# Altium PCB GameBoard_V1I1_Phase1.PcbDoc (part 1 of 18) (continued)
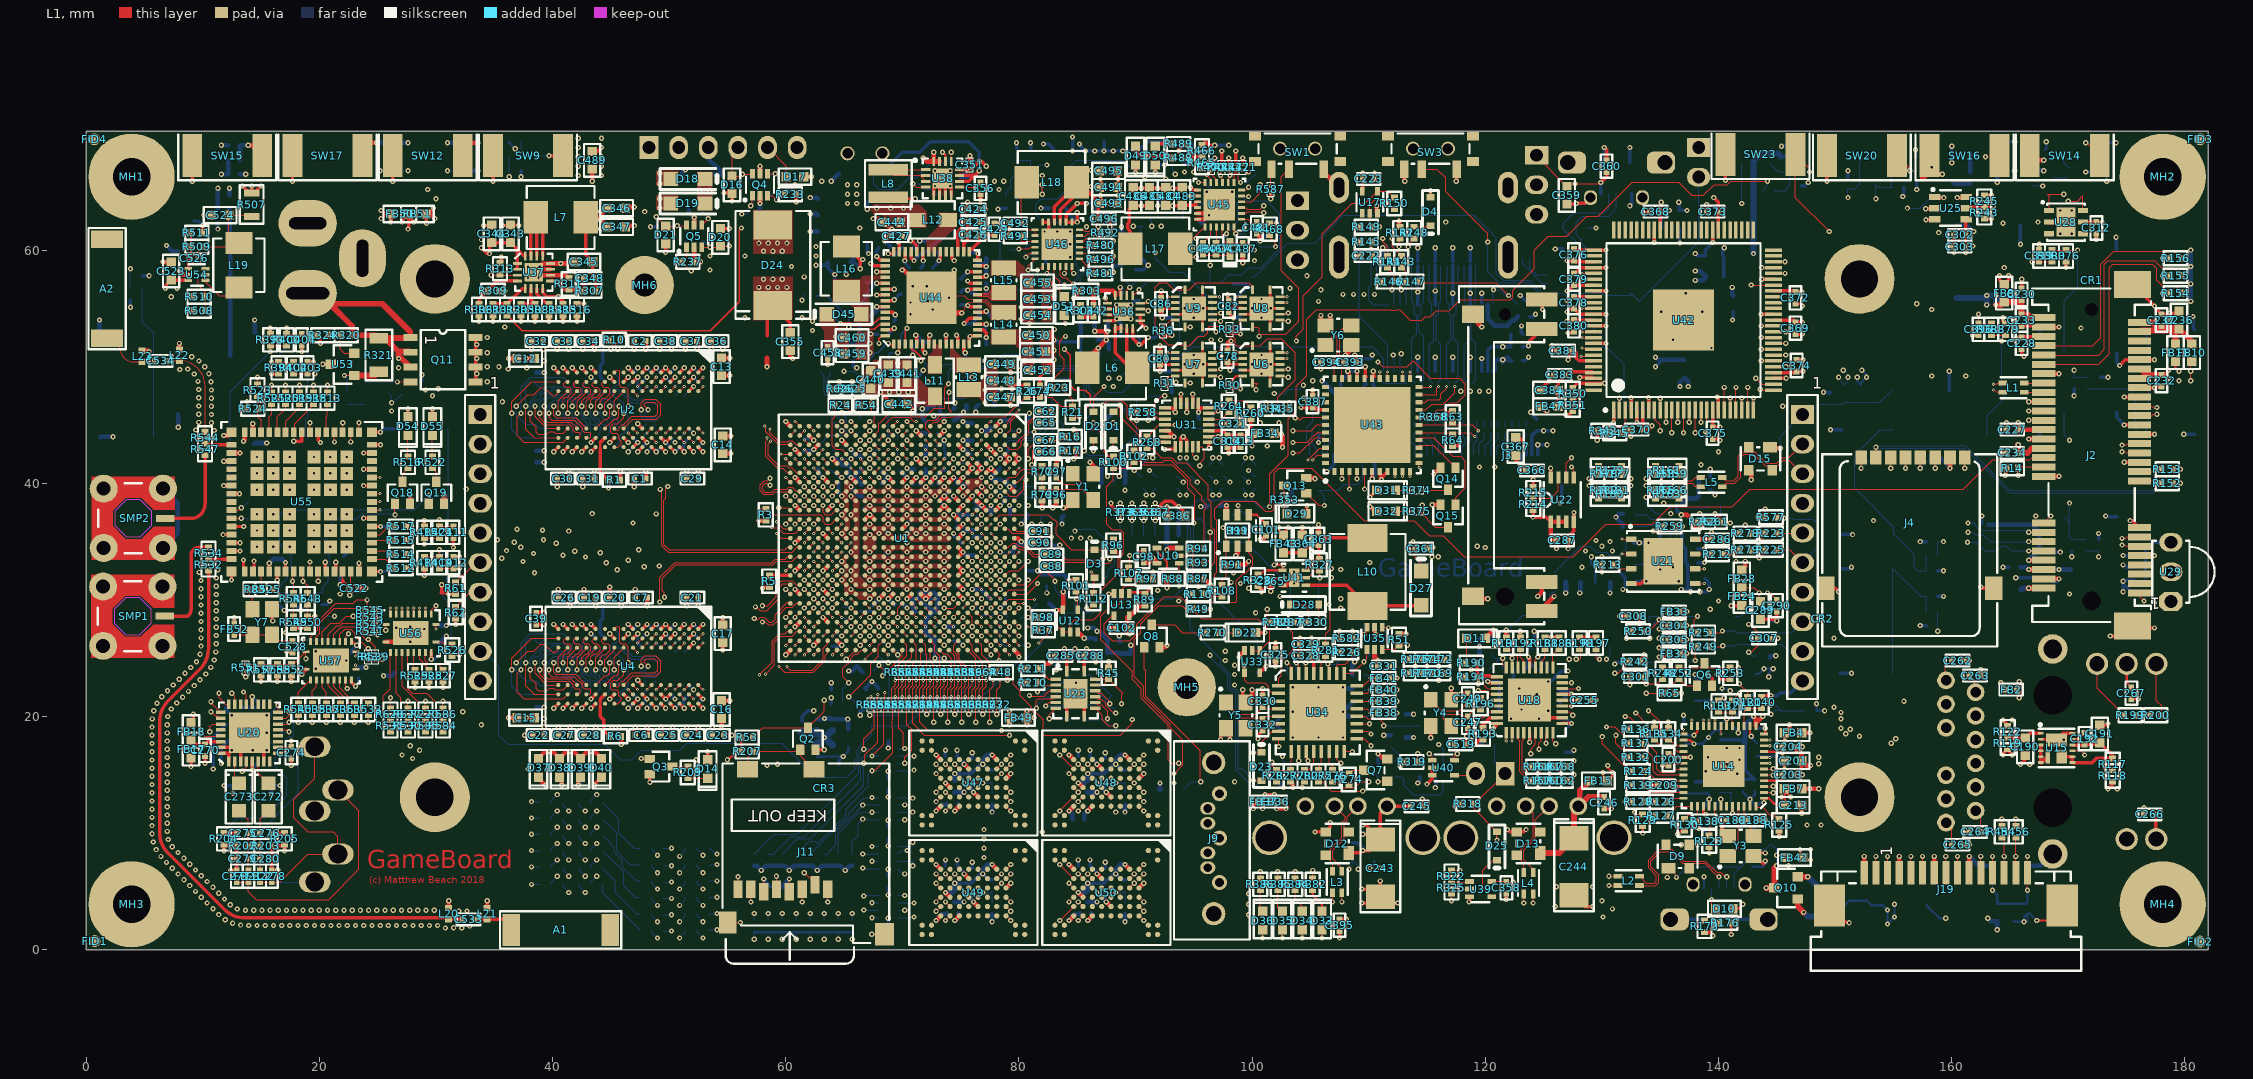
[diagram p0: L1 view]
## Design rules (kind name [scope] priority, off if disabled: settings) (continued)
ComponentClearance SD2_DATA3 [InComponent('R609') vs InComponent('R610')] p70: gap=0 collisioncheckmode=3 verticalgap=0 showdistances=FALSE
ComponentClearance SD2_CMD [InComponent('R611') vs InComponent('R612')] p71: gap=0 collisioncheckmode=3 verticalgap=0 showdistances=FALSE
ComponentClearance SD2_CLK [InComponent('R613') vs InComponent('R614')] p72: gap=0 collisioncheckmode=3 verticalgap=0 showdistances=FALSE
ComponentClearance SD2_WP [InComponent('R620') vs InComponent('R621')] p73: gap=0 collisioncheckmode=3 verticalgap=0 showdistances=FALSE
DiffPairsRouting [All] p1: maxlimit=0.1 minlimit=0.1 mostfreqgap=0.1 toplayer_minwidth=0.1 toplayer_maxwidth=0.1 toplayer_prefwidth=0.1 midlayer1_minwidth=0.1 midlayer1_maxwidth=0.1 midlayer1_prefwidth=0.1 midlayer2_minwidth=0.1 midlayer2_maxwidth=0.1 midlayer2_prefwidth=0.1 midlayer3_minwidth=0.1 midlayer3_maxwidth=0.1 midlayer3_prefwidth=0.1 midlayer4_minwidth=0.1 midlayer4_maxwidth=0.1 midlayer4_prefwidth=0.1 midlayer5_minwidth=0.1 midlayer5_maxwidth=0.1 midlayer5_prefwidth=0.1 midlayer6_minwidth=0.1 midlayer6_maxwidth=0.1 midlayer6_prefwidth=0.1 midlayer7_minwidth=0.1 midlayer7_maxwidth=0.1 midlayer7_prefwidth=0.1 midlayer8_minwidth=0.1 midlayer8_maxwidth=0.1 midlayer8_prefwidth=0.1 bottomlayer_minwidth=0.1 bottomlayer_maxwidth=0.1 bottomlayer_prefwidth=0.1 maxuncoupledlength=12.7
HoleSize [All] p1: absolutevalues=TRUE maxlimit=6 minlimit=0.025 maxpercent=80.000 minpercent=20.000
HoleToHoleClearance [All] p1: gap=0.1 allowstackedmicrovias=TRUE
MatchedLengths DiffPair_DIFF100MatchedLengths [InDifferentialPairClass('DIFF100')] p1: tolerance=0.127 checknetsindiffpair=TRUE checkdiffpairvsdiffpair=FALSE checkxsignals=FALSE checkothers=FALSE
MatchedLengths DiffPair_DIFF90MatchedLengths [InDifferentialPairClass('DIFF90')] p2: tolerance=0.127 checknetsindiffpair=TRUE checkdiffpairvsdiffpair=FALSE checkxsignals=FALSE checkothers=FALSE
MinimumSolderMaskSliver [All] p1: minsoldermaskwidth=0.1
PlaneClearance [All] p1: clearance=0.1
PlaneConnect [All] p1: planeconnectstyle=Direct reliefexpansion=0.508 reliefentries=4 reliefconductorwidth=0.254 reliefairgap=0.1
PolygonConnect [All] p1: connectstyle=Direct reliefconductorwidth=0.254 reliefentries=4 polygonreliefangle="90 Angle" airgapwidth=0.1
RoutingVias [All] p1: holewidth=0.2 width=0.45 viastyle="Through Hole" minholewidth=0.1 minwidth=0 maxholewidth=0.6 maxwidth=0.8
SilkToSilkClearance [All] p1: silktosilkclearance=0.1
SilkToSolderMaskClearance SilkscreenOverComponentPads [IsPad] p1: minsilkscreentomaskgap=0.1 clearancetoexposedcopper=TRUE
SolderMaskExpansion [All] p1: expansion=0.102
Width DiffPair_DIFF100Width [InDifferentialPair('ALL')] p1: maxlimit=0.1 minlimit=0.085 preferedwidth=0.1 toplayer_minwidth=0.09 toplayer_maxwidth=0.09 toplayer_prefwidth=0.09 midlayer1_minwidth=0.1 midlayer2_maxwidth=0.085 midlayer2_prefwidth=0.085 midlayer3_minwidth=0.1 midlayer4_minwidth=0.1 midlayer5_maxwidth=0.085 midlayer5_prefwidth=0.085 midlayer6_minwidth=0.1 midlayer7_minwidth=0.1 midlayer8_minwidth=0.1 bottomlayer_minwidth=0.09 bottomlayer_maxwidth=0.09 bottomlayer_prefwidth=0.09 minimp=50.000000 maximp=50.000000 favimp=50.000000
Width DiffPair_DIFF90Width [InNetClass('DRAM_SDCLK')] p2: maxlimit=0.101 minlimit=0.085 preferedwidth=0.1 toplayer_minwidth=0.101 toplayer_prefwidth=0.101 midlayer1_minwidth=0.1 midlayer1_maxwidth=0.1 midlayer2_maxwidth=0.085 midlayer2_prefwidth=0.085 midlayer3_minwidth=0.1 midlayer3_maxwidth=0.1 midlayer4_minwidth=0.1 midlayer4_maxwidth=0.1 midlayer5_maxwidth=0.085 midlayer5_prefwidth=0.085 midlayer6_minwidth=0.1 midlayer6_maxwidth=0.1 midlayer7_minwidth=0.101 midlayer7_prefwidth=0.101 midlayer8_minwidth=0.101 midlayer8_prefwidth=0.101 bottomlayer_minwidth=0.101 bottomlayer_prefwidth=0.101 minimp=50.000000 maximp=50.000000 favimp=50.000000
Width "Width Ground" [InNet('GND')] p3: maxlimit=4 minlimit=0.2 preferedwidth=0.3
Width "Width Power" [InNet('+VIN') OR InNet('+1V2_ETH') OR InNet('+1V5_DDR') OR InNet('+1V375') OR InNet('+2V5') OR InNet('+3V3')] p4: maxlimit=4 minlimit=0.2 preferedwidth=0.3
Width [All] p5: maxlimit=4 minlimit=0.08 preferedwidth=0.1
21 further rules are at their usual default settings.

## Classes and differential pairs
net class ANTENNA: ANT1 ANT1_FEED ANT1_LC ANT2 ANT2_FEED ANT2_LC
net class BOOT_SELECT1: BOOT_CFG_00 BOOT_CFG_01 BOOT_CFG_02 BOOT_CFG_03 BOOT_CFG_04 BOOT_CFG_05 BOOT_CFG_06 BOOT_CFG_07 BOOT_CFG_08 BOOT_CFG_09 BOOT_CFG_10 BOOT_CFG_11 BOOT_CFG_12 BOOT_CFG_13 BOOT_CFG_14 BOOT_CFG_15 SRC_BOOT_CFG_00 SRC_BOOT_CFG_01 SRC_BOOT_CFG_02 SRC_BOOT_CFG_03 SRC_BOOT_CFG_04 SRC_BOOT_CFG_05 SRC_BOOT_CFG_06 SRC_BOOT_CFG_07 SRC_BOOT_CFG_08 SRC_BOOT_CFG_09 SRC_BOOT_CFG_10 SRC_BOOT_CFG_11 SRC_BOOT_CFG_12 SRC_BOOT_CFG_13 SRC_BOOT_CFG_14 SRC_BOOT_CFG_15
net class BOOT_SELECT2: BOOT_CFG_16 BOOT_CFG_17 BOOT_CFG_18 BOOT_CFG_19 BOOT_CFG_20 BOOT_CFG_21 BOOT_CFG_22 BOOT_CFG_23 BOOT_CFG_24 BOOT_CFG_25 BOOT_CFG_26 BOOT_CFG_27 BOOT_CFG_28 BOOT_CFG_29 BOOT_CFG_30 BOOT_CFG_31 SRC_BOOT_CFG_16 SRC_BOOT_CFG_17 SRC_BOOT_CFG_18 SRC_BOOT_CFG_19 SRC_BOOT_CFG_20 SRC_BOOT_CFG_21 SRC_BOOT_CFG_22 SRC_BOOT_CFG_23 SRC_BOOT_CFG_24 SRC_BOOT_CFG_25 SRC_BOOT_CFG_26 SRC_BOOT_CFG_27 SRC_BOOT_CFG_28 SRC_BOOT_CFG_29 SRC_BOOT_CFG_30 UART3_RTS
net class SD2_BOOT: SD2_CLK_BOOT SD2_CMD_BOOT SD2_DATA0_BOOT SD2_DATA1_BOOT SD2_DATA2_BOOT SD2_DATA3_BOOT
net class SD1_WIFI: SD1_CLK_WIFI SD1_CMD_WIFI SD1_DATA0_WIFI SD1_DATA1_WIFI SD1_DATA2_WIFI SD1_DATA3_WIFI
net class SD2_WIFI: SD2_CLK_WIFI SD2_CMD_WIFI SD2_DATA0_WIFI SD2_DATA1_WIFI SD2_DATA2_WIFI SD2_DATA3_WIFI
net class SD1_BOOT: SD1_CLK_BOOT SD1_CMD_BOOT SD1_DATA0_BOOT SD1_DATA1_BOOT SD1_DATA2_BOOT SD1_DATA3_BOOT
net class BOOT: BOOT_CLK BOOT_CMD BOOT_DATA0 BOOT_DATA1 BOOT_DATA2 BOOT_DATA3
net class SD1: SD1_CLK SD1_CMD SD1_DATA0 SD1_DATA1 SD1_DATA2 SD1_DATA3
net class WIFI: SLOW_CLK WIFI_CLK WIFI_CMD WIFI_DATA0 WIFI_DATA1 WIFI_DATA2 WIFI_DATA3 WIFI_IRQ WL_EN WL_IRQ WL_SDIO_CLK WL_SDIO_CMD WL_SDIO_D0 WL_SDIO_D1 WL_SDIO_D2 WL_SDIO_D3 XTALOSC_REF_CLK_32K
net class BLE: BT_AUD_CLK BT_AUD_FSYNC BT_AUD_IN BT_AUD_OUT BT_CSPI_RXD BT_CSPI_TXC BT_CSPI_TXD BT_CSPI_TXFS BT_EN BT_HCI_CTS BT_HCI_RTS BT_HCI_RX BT_HCI_TX BT_UART_CTS BT_UART_RTS BT_UART_RXD BT_UART_TXD
net class "[26] - BLE/WIFI": +1V8_WIFI +3V3 +3V3_HDR +3V3_WIFI +VIN_4V2 ANT1 ANT1_FEED ANT1_LC ANT2 ANT2_FEED ANT2_LC BT_AUD_CLK BT_AUD_FSYNC BT_AUD_IN BT_AUD_OUT BT_CSPI_RXD BT_CSPI_TXC BT_CSPI_TXD BT_CSPI_TXFS BT_EN BT_EN_D BT_EN_LED BT_EN_R BT_HCI_CTS BT_HCI_RTS BT_HCI_RX BT_HCI_TX BT_UART_CTS BT_UART_DBG BT_UART_RTS BT_UART_RXD BT_UART_TXD CPU_BT_EN CPU_WIFI_LS_EN CPU_WL_EN CSPI2_RXD CSPI2_TXC CSPI2_TXD CSPI2_TXFS EN_1V8WIFI FB_1V8WIFI GND NetA?_1 NetA?_2 NetC528_2 NetR512_2 NetR513_1 NetR514_2 NetR515_2 NetR517_2 NetR518_1 NetR519_1 NetR520_1 NetR521_1 NetR523_1 NetR533_2 NetR534_1 NetR535_2 NetR536_2 NetR537_2 NetR538_2 NetR540_2 NetR547_1 NetR551_2 NetU?_4 NetU?_5 NetU?_6 NetU?_7 NetU?_8 NetU?_9 NetU?_11 NetU?_14 NetU?_15 NetU?_21 NetU?_22 NetU?_62 PWR_1V8WIFI SD1_CLK_WIFI SD1_CMD_WIFI SD1_DATA0_WIFI SD1_DATA1_WIFI SD1_DATA2_WIFI SD1_DATA3_WIFI SD2_BT_EN SD2_CLK_WIFI SD2_CMD_WIFI SD2_DATA0_WIFI SD2_DATA1_WIFI SD2_DATA2_WIFI SD2_DATA3_WIFI SLOW_CLK SW_1V8WIFI UART3_CTS UART3_RTS UART3_RXD UART3_TXD UART5_CTS UART5_RTS UART5_RXD UART5_TXD WIFI_CLK WIFI_CMD WIFI_DATA0 WIFI_DATA1 WIFI_DATA2 WIFI_DATA3 WIFI_EXT_32K_CLK WIFI_IRQ WL_EN WL_EN_D WL_EN_LED WL_IRQ WL_RX WL_SDIO_CLK WL_SDIO_CMD WL_SDIO_D0 WL_SDIO_D1 WL_SDIO_D2 WL_SDIO_D3 WL_TX WL_UART_DBG XTAL_32K_CLK XTALOSC_REF_CLK_32K
component class "[26] - BLE, WIFI": A1 A2 A? C522 C523 C524 C525 C526 C527 C528 C529 C530 C531 C532 C533 C534 C? D54 D55 D? FB50 FB51 FB52 FB? L19 L20 L21 L22 L23 Q18 Q19 Q? R43 R83 R220 R507 R508 R509 R510 R511 R512 R513 R514 R515 R516 R517 R518 R519 R520 R521 R522 R523 R524 R525 R526 R527 R528 R529 R530 R531 R532 R533 R534 R535 R536 R537 R538 R539 R540 R541 R542 R543 R544 R545 R546 R547 R548 R549 R550 R551 R552 R553 R554 R555 R556 R557 R558 R562 R563 R564 R565 R566 R567 R568 R569 R570 R571 R572 R573 R584 R585 R586 R623 R624 R627 R628 R? SMP1 SMP2 TP57 TP58 TP59 TP60 U54 U55 U56 U57 U? Y7 Y?
net class HDMI_PORT: HDMI_CLK_N HDMI_CLK_P HDMI_D0_N HDMI_D0_P HDMI_D1_N HDMI_D1_P HDMI_D2_N HDMI_D2_P
net class HDMI_LCD: LCD_HDMI_CLK_N LCD_HDMI_CLK_P LCD_HDMI_D0_N LCD_HDMI_D0_P LCD_HDMI_D1_N LCD_HDMI_D1_P LCD_HDMI_D2_N LCD_HDMI_D2_P
net class "[07] - CPU - CSI/FLASH": +3V3 +3V3_FLASH CSI_CLK0_N CSI_CLK0_P CSI_D0_N CSI_D0_P CSI_D1_N CSI_D1_P CSI_REXT FLASH_ALE FLASH_CLE FLASH_CS0 FLASH_CS1 FLASH_CS2 FLASH_CS3 FLASH_DATA0 FLASH_DATA1 FLASH_DATA2 FLASH_DATA3 FLASH_DATA4 FLASH_DATA5 FLASH_DATA6 FLASH_DATA7 FLASH_PT0 FLASH_PT1 FLASH_PT2 FLASH_PT3 FLASH_RB0 FLASH_RE_B FLASH_WE_B FLASH_WP_B GND NetU1_E1 NetU1_E2 NetU1_F1 NetU1_F2 NetU1_F24 NetU1_F25 NetU1_G24 NetU1_G25 NetU1_H22 NetU1_H23 NetU1_H25 NetU1_J21 NetU1_J22 NetU1_J25 NetU1_K21 NetU1_K22 NetU1_K23 NetU1_K24 NetU1_K25 NetU1_L20 NetU1_L21 NetU1_L22 NetU1_L23 NetU1_L24 NetU1_L25 NetU1_M20 NetU1_M21 NetU1_M22 NetU1_M23 NetU1_M24 NetU1_N22 NetU1_N23 NetU47_A1 NetU47_A2 NetU47_A9 NetU47_A10 NetU47_B1 NetU47_B9 NetU47_B10 NetU47_D6 NetU47_D7 NetU47_D8 NetU47_E3 NetU47_E4 NetU47_E5 NetU47_E6 NetU47_E7 NetU47_E8 NetU47_F3 NetU47_F4 NetU47_F5 NetU47_F6 NetU47_F8 NetU47_G3 NetU47_G6 NetU47_G7 NetU47_G8 NetU47_H3 NetU47_H5 NetU47_H6 NetU47_H7 NetU47_J3 NetU47_J5 NetU47_L1 NetU47_L2 NetU47_L9 NetU47_L10 NetU47_M1 NetU47_M2 NetU47_M9 NetU47_M10 NetU48_A1 NetU48_A2 NetU48_A9 NetU48_A10 NetU48_B1 NetU48_B9 NetU48_B10 NetU48_D6 NetU48_D7 NetU48_D8 NetU48_E3 NetU48_E4 NetU48_E5 NetU48_E6 NetU48_E7 NetU48_E8 NetU48_F3 NetU48_F4 NetU48_F5 NetU48_F6 NetU48_F8 NetU48_G3 NetU48_G6 NetU48_G7 NetU48_G8 NetU48_H3 NetU48_H5 NetU48_H6 NetU48_H7 NetU48_J3 NetU48_J5 NetU48_L1 NetU48_L2 NetU48_L9 NetU48_L10 NetU48_M1 NetU48_M2 NetU48_M9 NetU48_M10 NetU49_A1 NetU49_A2 NetU49_A9 NetU49_A10 NetU49_B1 NetU49_B9 NetU49_B10 NetU49_D6 NetU49_D7 NetU49_D8 NetU49_E3 NetU49_E4 NetU49_E5 NetU49_E6 NetU49_E7 NetU49_E8 NetU49_F3 NetU49_F4 NetU49_F5 NetU49_F6 NetU49_F8 NetU49_G3 NetU49_G6 NetU49_G7 NetU49_G8 NetU49_H3 NetU49_H5 NetU49_H6 NetU49_H7 NetU49_J3 NetU49_J5 NetU49_L1 NetU49_L2 NetU49_L9 NetU49_L10 NetU49_M1 NetU49_M2 NetU49_M9 NetU49_M10 NetU50_A1 NetU50_A2 NetU50_A9 NetU50_A10 NetU50_B1 NetU50_B9 NetU50_B10 NetU50_D6 NetU50_D7 NetU50_D8 NetU50_E3 NetU50_E4 NetU50_E5 NetU50_E6 NetU50_E7 NetU50_E8 NetU50_F3 NetU50_F4 NetU50_F5 NetU50_F6 NetU50_F8 NetU50_G3 NetU50_G6 NetU50_G7 NetU50_G8 NetU50_H3 NetU50_H5 NetU50_H6 NetU50_H7 NetU50_J3 NetU50_J5 NetU50_L1 NetU50_L2 NetU50_L9 NetU50_L10 NetU50_M1 NetU50_M2 NetU50_M9 NetU50_M10
component class "[06] - CPU - ETHERNET, SATA": C87 C88 C89 C90 C91 C92 C93 R37 R38 R39 R40 R41
net class "[30] - BATTERY CHARGER": +BAT +PULLUP +SYS +VBUS BAT1 BAT2 CHARGE_C\E\ CHARGE_C\E\2 CHARGE_INT CHARGE_INT2 DSEL GND I2C2_SCL I2C2_SDA ILIM1 ILIM2 NetC480_1 NetC492_1 NetD49_2 NetD50_2 NetD51_2 NetJP3_2 NetR467_1 NetR482_1 NetR482_2 NetR487_1 NetR491_1 NetR493_1 NetR524_1 OTG/IUSB1 OTG/IUSB2 PMID1 PMID2 PowerGood2 PSEL2 REGN1 REGN2 Status1 Status2 SW1 SW2 SYS2 TS USBCh_OTG_N USBCh_OTG_P VBUS2
net class "[29] - PWR PMIC": +0V75_DDR_VTT +1V2_PMIC +1V5_DDR +1V8_AUDIO +1V375_CORE +1V375_SOC +2V5 +3V0_ALWAYS +3V0_VSNVS +3V3 +3V3_LDO +5V +DDR_VREF +DDR_VREF_PMIC +PMIC_LICELL +PMIC_VCORE +PMIC_VCOREREF +PWRON_1V375_OPT +VCOREDIG +VIN_4V2 GND I2C1_SCL I2C1_SCL_PMIC I2C1_SDA I2C1_SDA_PMIC NetU47_33 PMIC_INT PMIC_SDWNB PMIC_STBY_REQ PMIC_VDDOTP PMIC_VHALF POK_PMIC PWRON SW1CFB SW1CLX SW1LX SW2LX SW3LX SW4LX SWBSTLX
net class "[28] - PWR IN/MECH": 5V_IN_CTRL +5V_BARREL +5V_JMP +5V_USB_OTG +5V_USB_OTG_Q +SYS +USB_CHARGE +VBUS +VIN_4V2 +VIN_5V GND NetJ17_4 NetQ12_1 NetR320_1 NetR321_1 OTG_ENABLE OTG_ENABLE_HZ PWR_SEL PWR_SEL_B RSTOUTn SYS_ENABLE SYS_PG SYS_SS SYS_SW USB0_ID USB0_ID_BUFF USB0_ID_BUFF_EN USB0_ID_BUFF_EN_R USB_OTG_EN USBCh_OTG_L_N USBCh_OTG_L_P USBCh_OTG_N USBCh_OTG_P
net class "[27] - PWR 1V375 OPT/3V3 OPT": +1V375_CORE +1V375_SOC +3V0_ALWAYS +3V3_HDR +PWRON_1V375_OPT +VIN_4V2 COMP_1V375 COMP_3V3_HDR EN_1V375 EN_3V3_HDR FB_1V375 FB_3V3_HDR FS_1V375 FS_3V3_HDR GND NetC342_1 NetC349_1 PHASE_1V375 PHASE_3V3_HDR POK_1V375_OPT POK_3V3_OPT POK_PMIC SS_1V375 SS_3V3_HDR SYNC_1V375 SYNC_3V3_HDR
net class "[26] - LEDS/BUTTONS": +3V0_VSNVS +3V3 +3V3_MCU BUMP_L1 BUMP_L2 BUMP_R1 BUMP_R2 BUT_L1 BUT_L2 BUT_LD BUT_LL BUT_LR BUT_LU BUT_R1 BUT_R2 BUT_RD BUT_RL BUT_RR BUT_RU BUT_SEL_L1 BUT_SEL_L2 BUT_SEL_R1 BUT_SEL_R2 GND MCU_BTN MOV_LD MOV_LL MOV_LR MOV_LU MOV_RD MOV_RL MOV_RR MOV_RU NetC413_1 POK_SYS PWR_LED_GRN_D PWR_LED_GRN_Q PWRON RST_BTN_HDR RSTINn SEL_L1 SEL_L2 SEL_R1 SEL_R2 USER_BTN_1 USER_BTN_1_R USER_BTN_2 USER_BTN_2_R USER_BTN_3 USER_BTN_3_R USER_LED USER_LED_1 USER_LED_2 USER_LED_3 USER_LED_4 USER_LED_5 USER_LED_6 USER_LED_7 USER_LED_8 USER_LED_CPU_D USER_LED_CPU_Q USER_LED_D_1 USER_LED_D_2 USER_LED_D_3 USER_LED_D_4 USER_LED_D_5 USER_LED_D_6 USER_LED_D_7 USER_LED_D_8
net class "[25] - LCD/TSC": 3V3_AVDD 3V3_DVDD 3V3_OVDD 3V3_PVDD +3V3 +VIN_5V ACTIVE BL_CTRL BL_PWM BUMP_L1 BUMP_L2 BUMP_R1 BUMP_R2 CTP_INT# CTP_RST# CTP_SCL CTP_SDA DRVSTR F_VIN GND I2C3_SCL I2C3_SDA LCD_B0 LCD_B1 LCD_B2 LCD_B3 LCD_B4 LCD_B5 LCD_B6 LCD_B7 LCD_CTP_INT# LCD_CTP_RST# LCD_CTP_SCL LCD_CTP_SDA LCD_DE LCD_G0 LCD_G1 LCD_G2 LCD_G3 LCD_G4 LCD_G5 LCD_G6 LCD_G7 LCD_HDMI_CLK_N LCD_HDMI_CLK_P LCD_HDMI_D0_N LCD_HDMI_D0_P LCD_HDMI_D1_N LCD_HDMI_D1_P LCD_HDMI_D2_N LCD_HDMI_D2_P LCD_HSYNC LCD_PCLK LCD_R0 LCD_R1 LCD_R2 LCD_R3 LCD_R4 LCD_R5 LCD_R6 LCD_R7 LCD_SHUTOFF# LCD_VSYNC LCD_XTALIN LCD_XTALOUT LED_A LED_K LED_SW MOV_LD MOV_LL MOV_LR MOV_LU MOV_RD MOV_RL MOV_RR MOV_RU NetC365_1 NetD29_1 NetD31_1 NetD32_1 NetLCD1_35 NetQ13_3 NetQ14_1 NetQ14_3 NetQ15_1 NetQ15_3 NetU45_40 NetU45_41 NetU45_42 NetU45_49 NetU45_50 NetU45_51 NetU45_52 NetU45_53 NetU45_54 NetU45_55 NetU45_56 NetU45_59 NetU45_60 NetU45_61 NetU45_62 NetU45_63 NetU45_64 NetU45_65 NetU45_66 NetU45_69 NetU45_70 NetU45_71 NetU45_72 NetU45_73 NetU45_74 NetU45_75 NetU45_77 NetU45_96 NetU46_1 NetU46_13 NetU46_25 NetU46_34 NetU46_35 NetU46_36 NetU46_44 OCK_INV P\D\ P\D\O\ QB0 QB1 QB2 QB3 QB4 QB5 QB6 QB7 QDE QE0 QE1 QE2 QE3 QE4 QE5 QE6 QE7 QHSYNC QODCK QR0 QR1 QR2 QR3 QR4 QR5 QR6 QR7 QVSYNC SEL_L1 SEL_L2 SEL_R1 SEL_R2 TS_X+ TS_X- TS_Y+ TS_Y- USB_LCDCTP_N USB_LCDCTP_P VPP/MCLR
net class "[24] - HEADERS/UART": +3V3 +3V3_HDR +3V3_HDR_J1 +5V +5V_FTDI +5V_HDR_J1 +VIN_5V BOOT_CFG_00 BOOT_CFG_01 BOOT_CFG_02 BOOT_CFG_03 BOOT_CFG_04 BOOT_CFG_05 BOOT_CFG_06 BOOT_CFG_07 BOOT_CFG_08 BOOT_CFG_09 BOOT_CFG_10 BOOT_CFG_11 BOOT_CFG_12 BOOT_CFG_13 BOOT_CFG_14 BOOT_CFG_15 BOOT_CFG_16 BOOT_CFG_17 BOOT_CFG_18 BOOT_CFG_19 BOOT_CFG_20 BOOT_CFG_21 BOOT_CFG_22 BOOT_CFG_23 BOOT_CFG_24 BOOT_CFG_25 BOOT_CFG_26 BOOT_CFG_27 BOOT_CFG_28 BOOT_CFG_29 BOOT_CFG_30 BOOT_CFG_31 CAN_N CAN_P CSPI1_CLK CSPI1_CS0 CSPI1_CS1 CSPI1_MISO CSPI1_MOSI GND I2C1_SCL I2C1_SCL_CON I2C1_SCL_MCU I2C1_SDA I2C1_SDA_CON I2C1_SDA_MCU I2C2_SCL I2C2_SDA I2C3_SCL I2C3_SDA RST_BTN_HDR RSTOUTn SRC_BOOT_CFG_00 SRC_BOOT_CFG_01 SRC_BOOT_CFG_02 SRC_BOOT_CFG_03 SRC_BOOT_CFG_04 SRC_BOOT_CFG_05 SRC_BOOT_CFG_06 SRC_BOOT_CFG_07 SRC_BOOT_CFG_08 SRC_BOOT_CFG_09 SRC_BOOT_CFG_10 SRC_BOOT_CFG_11 SRC_BOOT_CFG_12 SRC_BOOT_CFG_13 SRC_BOOT_CFG_14 SRC_BOOT_CFG_15 SRC_BOOT_CFG_16 SRC_BOOT_CFG_17 SRC_BOOT_CFG_18 SRC_BOOT_CFG_19 SRC_BOOT_CFG_20 SRC_BOOT_CFG_21 SRC_BOOT_CFG_22 SRC_BOOT_CFG_23 SRC_BOOT_CFG_24 SRC_BOOT_CFG_25 SRC_BOOT_CFG_26 SRC_BOOT_CFG_27 SRC_BOOT_CFG_28 SRC_BOOT_CFG_29 SRC_BOOT_CFG_30 UART1_CTS UART1_CTS_FTDI UART1_RTS UART1_RTS_FTDI UART1_RXD UART1_RXD_FTDI UART1_TXD UART1_TXD_FTDI UART3_RTS USB_HDR_L_N USB_HDR_L_P USB_HDR_N USB_HDR_P
net class "[23] - SENSORS/CAN/IR": +3V3 +3V3_COMP +3V3_COMP_IO +3V3_GYRO +3V3_GYRO_IO +3V3_IR +5V +GYRO_VREGD +VCC_CAN CAN_N CAN_P COMP_BYP COMP_C1 COMP_CRST COMP_INT COMP_INT1 COMP_INT2 COMP_RST COMP_SA1 FLEXCAN1_RX FLEXCAN1_RX_BUFF FLEXCAN1_STBY FLEXCAN1_STBY_Q FLEXCAN1_TX FLEXCAN1_TX_BUFF GND GYRO_CS_B GYRO_INT GYRO_INT1 GYRO_PWR_CTRL GYRO_RST I2C1_SCL I2C1_SDA I2C2_SCL I2C2_SDA IR_RCV NetC322_2 NetU28_3 NetU28_4 NetU32_1 RSTOUTn SPLIT SPLIT_R TEMP_ADD0 TEMP_ALERT
net class "[22] - SD CARE/SPI/FLASH/EEPROM": +3V3 BOOT_CLK BOOT_CMD BOOT_DATA0 BOOT_DATA1 BOOT_DATA2 BOOT_DATA3 CSPI3_1DIR CSPI3_2DIR CSPI3_CLK CSPI3_CS0 CSPI3_CS2 CSPI3_MCU_CLK CSPI3_MCU_CS0 CSPI3_MCU_ENn CSPI3_MCU_MISO CSPI3_MCU_MOSI CSPI3_MISO CSPI3_MOSI EEPROM_WP GND I2C1_SCL I2C1_SDA NetD14_1 NetQ3_3 NetR212_2 NetR213_1 SD1_CLK_BOOT SD1_CMD_BOOT SD1_DATA0_BOOT SD1_DATA1_BOOT SD1_DATA2_BOOT SD1_DATA3_BOOT SD2_ACT SD2_CD SD2_CDn SD2_CLK_BOOT SD2_CMD_BOOT SD2_DATA0_BOOT SD2_DATA1_BOOT SD2_DATA2_BOOT SD2_DATA3_BOOT SD2_WP_BOOT
net class "[21] - AUDIO": +1V5_DDR +1V8_AUDIO +3V3 +VDDA +VDDD +VDDIO AUD3_CLK AUD3_RXD AUD3_TXC AUD3_TXD AUD3_TXFS AUD_HP_L AUD_HP_R AUD_HP_VGND AUD_VAG FIL_HP_OUTL FIL_HP_OUTR FIL_MIC_IN GND HP_OUT_L HP_OUT_R I2C2_SCL I2C2_SDA MIC_BIAS MIC_IN MIC_IN_C MIC_LINEIN_L MIC_LINEIN_R NetC275_2 NetC276_2 NetJ10_5 NetJ10_7 NetU20_8 NetU20_9 NetU20_11 NetU20_12 NetU20_17 NetU20_18 NetU20_19 NetU20_22 NetU20_28
net class "[20] - ETHERNET/SATA": +3V3 ENET_LED_LINK ENET_LED_RX ENET_LED_RX_G ENET_LED_RX_O GND SATA_RX_N SATA_RX_P SATA_TX_N SATA_TX_P TCT0 TCT1 TCT2 TCT3 TRD0_N TRD0_P TRD1_N TRD1_P TRD2_N TRD2_P TRD3_N TRD3_P
net class "[19] - USB": +3V3 +3V3_USB_HUB +5V +5V_USB_BOT +5V_USB_OTG +5V_USB_TOP +VIN_5V GND HUB_CFG_SEL0 HUB_CFG_SEL1 HUB_CRFILT HUB_LED HUB_NON_REM1 HUB_PLLFILT HUB_RBIAS HUB_RESETn HUB_VBUS_DET HUB_XTALIN HUB_XTALOUT "LOCAL_PWR / NON_REM0" NetU18_18 NetU18_20 RSTOUTn USB0_ID USB0_N USB0_OTG_L_N USB0_OTG_L_P USB0_OTG_N USB0_OTG_P USB0_P USB1_HUB_N USB1_HUB_P USB1_N USB1_P USB_BOT_L_N USB_BOT_L_P USB_BOT_N USB_BOT_P USB_HDR_N USB_HDR_P USB_LCDCTP_N USB_LCDCTP_P USB_MCU_N USB_MCU_P USB_MPCIE_N USB_MPCIE_OC USB_MPCIE_P USB_TOP_L_N USB_TOP_L_P USB_TOP_N USB_TOP_P USBDN1_N USBDN1_OC USBDN1_P USBDN1_PWR_EN USBDN2_N USBDN2_OC USBDN2_P USBDN2_PWR_EN USBDN3_N USBDN3_OC USBDN3_P USBDN4_N USBDN4_P
net class "[18] - PCIE MINI": +1V5_DDR +1V5_MPCIE +3V3 +3V3_MPCIE +5V +5V_MPCIE +MPCIE_SIM_PWR +MPCIE_SIM_VPP +VIN_5V GND I2C2_SCL I2C2_SDA LED_MPCIE_WLAN LED_MPCIE_WPAN LED_MPCIE_WWAN MPCIE_SIM_C4 MPCIE_SIM_C4_R MPCIE_SIM_C8 MPCIE_SIM_C8_R MPCIE_SIM_CLK MPCIE_SIM_DATA MPCIE_SIM_RST NetD5_1 NetD6_1 NetD7_1 NetJ2_3 NetJ2_5 NetJ2_7 NetJ2_45 NetJ2_47 PCIE_CLK_N PCIE_CLK_P PCIE_RSTn PCIE_RX_N PCIE_RX_P PCIE_TX_N PCIE_TX_P PCIE_WAKE PCIE_WDISn USB_MPCIE_L_N USB_MPCIE_L_P USB_MPCIE_N USB_MPCIE_P
net class "[17] - LVDS/CSI": +3V3 +VDD_CSI CSI_CLK0_N CSI_CLK0_P CSI_CLK0_R_N CSI_CLK0_R_P CSI_D0_N CSI_D0_P CSI_D0_R_N CSI_D0_R_P CSI_D1_N CSI_D1_P CSI_D1_R_N CSI_D1_R_P CSI_GPIO0 CSI_GPIO1 GND I2C2_CSI_SCL I2C2_CSI_SDA I2C2_SCL I2C2_SDA LVDS0_CLK_N LVDS0_CLK_P LVDS0_CLK_R_N LVDS0_CLK_R_P LVDS0_TX0_N LVDS0_TX0_P LVDS0_TX1_N LVDS0_TX1_P LVDS0_TX2_N LVDS0_TX2_P LVDS0_TX3_N LVDS0_TX3_P
net class "[16] - HDMI": +3V3 +3V3_HDMI +5V +5V_HDMI_CON GND HDMI_CEC_CON HDMI_CEC_IN HDMI_CLK_N HDMI_CLK_P HDMI_D0_N HDMI_D0_P HDMI_D1_N HDMI_D1_P HDMI_D2_N HDMI_D2_P HDMI_ESD_BYP HDMI_HPD HDMI_HPD_BUFF HDMI_HPD_CON HDMI_SCL_CON HDMI_SCL_CON_R HDMI_SDA_CON HDMI_SDA_CON_R I2C2_SCL I2C2_SDA NetD4_1 NetJ1_14 NetU17_1
net class "[15] - ETHERNET PHY": +1V2_ETH +1V2_ETH_AVDDL +1V2_ETH_AVDDL_PLL +1V2_ETH_DVDDL +1V2_PMIC +1V2_REG +1V375_CORE +2V5 +2V5_ETH_DVDDH +3V3 +3V3_ETH_AVDDH +VIN_4V2 +VIN_ETH CFF ENET_LED_LINK ENET_LED_RX ENET_REF_CLK ENET_REF_CLK_R ETH_ISET ETH_OSCI_25MHz ETH_OSCO_25MHz GND LED1 LED2 NetU14_43 POK_SYS RGMII_INT RGMII_MDC RGMII_MDIO RGMII_R_MDC RGMII_R_MDIO RGMII_R_RXCLK RGMII_RSTn RGMII_RXCLK RGMII_RXD0 RGMII_RXD1 RGMII_RXD2 RGMII_RXD3 RGMII_RXDV RGMII_TXCLK RGMII_TXD0 RGMII_TXD1 RGMII_TXD2 RGMII_TXD3 RGMII_TXEN SW_EP TRD0_N TRD0_P TRD1_N TRD1_P TRD2_N TRD2_P TRD3_N TRD3_P
net class "[14] - MCU": +3V3 +3V3_LDO +3V3_MCU +BAT +SYS +VIN_4V2 +VIN_5V ANALOG_IN_0_SW ANALOG_IN_1 ANALOG_IN_2 ANALOG_IN_3 BTN_OR_USER_LED_4 CPU_GPIO0 CPU_GPIO1 CPU_GPIO2 CSPI3_MCU_CLK CSPI3_MCU_CS0 CSPI3_MCU_MISO CSPI3_MCU_MOSI GND I2C1_SCL_MCU I2C1_SDA_MCU MCU_BTN MCU_GPIO0 MCU_GPIO1 MCU_GPIO2 MCU_ISPn MCU_RSTINn MCU_RSTINn_BUFF MCU_RSTOUTn MCU_SWDIO MCU_SWDIO_SEL MCU_XTALIN MCU_XTALOUT NetQ7_3 NetQ8_3 NetR289_2 PMIC_STBY_REQ RSTOUTn STBY_OR_USER_LED_3 TS_X+ TS_X+_B TS_X- TS_X-_B TS_Y+ TS_Y+_B TS_Y- TS_Y-_B UART2_RXD UART2_TXD USB_CONNECT_OR_USER_LED_2 USB_CONNECTn USB_MCU_N USB_MCU_P USB_MCU_R_N USB_MCU_R_P USER_LED_1 USER_LED_2 USER_LED_3 USER_LED_4 USER_LED_MCU USER_LED_MCU_D
net class "[13] - CPU - UNUSED": NetU1_A9 NetU1_A10 NetU1_A11 NetU1_B9 NetU1_B10 NetU1_B11 NetU1_C20 NetU1_D20 NetU1_E25 NetU1_F18 NetU1_G1 NetU1_G2 NetU1_G4 NetU1_H1 NetU1_H2 NetU1_H3 NetU1_H4 NetU1_H24 NetU1_J19 NetU1_J20 NetU1_J23 NetU1_J24 NetU1_K20 NetU1_L1 NetU1_L3 NetU1_L4 NetU1_L6 NetU1_M2 NetU1_M4 NetU1_M5 NetU1_M6 NetU1_N5 NetU1_N6 NetU1_P4 NetU1_P5 NetU1_P6 NetU1_R3 NetU1_R5 NetU1_U20 NetU1_W6 NetU1_W20 NetU1_W21
net class "[12] - CPU - POWER": +1V1_NVCC_PLL_OUT +1V1_VDDSOC_CAP +1V2_VDD_ARM_CAP +1V5_DDR +1V375_CORE +1V375_SOC +2V5 +2V5_VDDHIGH_VPH +3V0_ALWAYS +3V3 +NVCC_CSI +NVCC_ENET +NVCC_MIPI +NVCC_RGMII +VDD_SNVS_CAP +VDDPU GND NetU1_C8
net class "[10] - CPU - GPIO/PWM/LEDS/BUTTONS": +3V3 BL_PWM CHARGE_C\E\ CHARGE_INT COMP_INT CPU_GPIO0 CPU_GPIO1 CPU_GPIO2 CSI_GPIO0 CSI_GPIO1 GYRO_INT IR_RCV MCU_ISPn MCU_RSTINn MCU_SWDIO MCU_SWDIO_SEL TEMP_ALERT USER_BTN_1 USER_BTN_2 USER_BTN_3 USER_LED USER_LED_1 USER_LED_2 USER_LED_3 USER_LED_4 USER_LED_5 USER_LED_6 USER_LED_7 USER_LED_8 VPP/MCLR
net class "[09] - CPU - SD/AUDIO/I2C/CAN": +3V3 AUD3_CLK AUD3_CLK_R AUD3_RXD AUD3_TXC AUD3_TXC_R AUD3_TXD AUD3_TXFS CPU_BT_EN CPU_WIFI_LS_EN CPU_WL_EN FLEXCAN1_RX FLEXCAN1_STBY FLEXCAN1_TX I2C1_SCL I2C1_SDA I2C2_SCL I2C2_SDA I2C3_SCL I2C3_SDA SD1_CLK SD1_CLK_BOOT SD1_CLK_WIFI SD1_CMD SD1_CMD_BOOT SD1_CMD_WIFI SD1_DATA0 SD1_DATA0_BOOT SD1_DATA0_WIFI SD1_DATA1 SD1_DATA1_BOOT SD1_DATA1_WIFI SD1_DATA2 SD1_DATA2_BOOT SD1_DATA2_WIFI SD1_DATA3 SD1_DATA3_BOOT SD1_DATA3_WIFI SD2_ACT SD2_BT_EN SD2_CD SD2_CLK SD2_CLK_BOOT SD2_CLK_R SD2_CLK_WIFI SD2_CMD SD2_CMD_BOOT SD2_CMD_R SD2_CMD_WIFI SD2_DATA0 SD2_DATA0_BOOT SD2_DATA0_WIFI SD2_DATA1 SD2_DATA1_BOOT SD2_DATA1_WIFI SD2_DATA2 SD2_DATA2_BOOT SD2_DATA2_WIFI SD2_DATA3 SD2_DATA3_BOOT SD2_DATA3_WIFI SD2_WP SD2_WP_BOOT WIFI_IRQ XTALOSC_REF_CLK_32K
net class "[08] - CPU - SPI/UART": +3V3 CSPI1_CLK CSPI1_CLK_R CSPI1_CS0 CSPI1_CS1 CSPI1_MISO CSPI1_MOSI CSPI2_RXD CSPI2_TXC CSPI2_TXD CSPI2_TXFS CSPI3_CLK CSPI3_CLK_R CSPI3_CS0 CSPI3_CS2 CSPI3_MCU_ENn CSPI3_MISO CSPI3_MOSI NetU1_B20 NetU1_C19 NetU1_P20 UART1_CTS UART1_RTS UART1_RXD UART1_TXD UART2_RXD UART2_TXD UART3_CTS UART3_RTS UART3_RXD UART3_TXD UART5_RXD UART5_TXD
net class FLASH: FLASH_ALE FLASH_CLE FLASH_CS0 FLASH_CS1 FLASH_CS2 FLASH_CS3 FLASH_DATA0 FLASH_DATA1 FLASH_DATA2 FLASH_DATA3 FLASH_DATA4 FLASH_DATA5 FLASH_DATA6 FLASH_DATA7 FLASH_RB0 FLASH_RE_B FLASH_WE_B FLASH_WP_B NetU1_E1 NetU1_E2 NetU1_F1 NetU1_F2 NetU1_F24 NetU1_F25 NetU1_G24 NetU1_G25 NetU1_H22 NetU1_H23 NetU1_H25 NetU1_J21 NetU1_J22 NetU1_J25 NetU1_K21 NetU1_K22 NetU1_K23 NetU1_K24 NetU1_K25 NetU1_L20 NetU1_L21 NetU1_L22 NetU1_L23 NetU1_L24 NetU1_L25 NetU1_M20 NetU1_M21 NetU1_M22 NetU1_M23 NetU1_M24 NetU1_N22 NetU1_N23 NetU40_A1 NetU40_A2 NetU40_A9 NetU40_A10 NetU40_B1 NetU40_B9 NetU40_B10 NetU40_D6 NetU40_D7 NetU40_D8 NetU40_E3 NetU40_E4 NetU40_E5 NetU40_E6 NetU40_E7 NetU40_E8 NetU40_F3 NetU40_F4 NetU40_F5 NetU40_F6 NetU40_F8 NetU40_G3 NetU40_G6 NetU40_G7 NetU40_G8 NetU40_H3 NetU40_H5 NetU40_H6 NetU40_H7 NetU40_J3 NetU40_J5 NetU40_L1 NetU40_L2 NetU40_L9 NetU40_L10 NetU40_M1 NetU40_M2 NetU40_M9 NetU40_M10 NetU41_A1 NetU41_A2 NetU41_A9 NetU41_A10 NetU41_B1 NetU41_B9 NetU41_B10 NetU41_D6 NetU41_D7 NetU41_D8 NetU41_E3 NetU41_E4 NetU41_E5 NetU41_E6 NetU41_E7 NetU41_E8 NetU41_F3 NetU41_F4 NetU41_F5 NetU41_F6 NetU41_F8 NetU41_G3 NetU41_G6 NetU41_G7 NetU41_G8 NetU41_H3 NetU41_H5 NetU41_H6 NetU41_H7 NetU41_J3 NetU41_J5 NetU41_L1 NetU41_L2 NetU41_L9 NetU41_L10 NetU41_M1 NetU41_M2 NetU41_M9 NetU41_M10 NetU42_A1 NetU42_A2 NetU42_A9 NetU42_A10 NetU42_B1 NetU42_B9 NetU42_B10 NetU42_D6 NetU42_D7 NetU42_D8 NetU42_E3 NetU42_E4 NetU42_E5 NetU42_E6 NetU42_E7 NetU42_E8 NetU42_F3 NetU42_F4 NetU42_F5 NetU42_F6 NetU42_F8 NetU42_G3 NetU42_G6 NetU42_G7 NetU42_G8 NetU42_H3 NetU42_H5 NetU42_H6 NetU42_H7 NetU42_J3 NetU42_J5 NetU42_L1 NetU42_L2 NetU42_L9 NetU42_L10 NetU42_M1 NetU42_M2 NetU42_M9 NetU42_M10 NetU43_A1 NetU43_A2 NetU43_A9 NetU43_A10 NetU43_B1 NetU43_B9 NetU43_B10 NetU43_D6 NetU43_D7 NetU43_D8 NetU43_E3 NetU43_E4 NetU43_E5 NetU43_E6 NetU43_E7 NetU43_E8 NetU43_F3 NetU43_F4 NetU43_F5 NetU43_F6 NetU43_F8 NetU43_G3 NetU43_G6 NetU43_G7 NetU43_G8 NetU43_H3 NetU43_H5 NetU43_H6 NetU43_H7 NetU43_J3 NetU43_J5 NetU43_L1 NetU43_L2 NetU43_L9 NetU43_L10 NetU43_M1 NetU43_M2 NetU43_M9 NetU43_M10
net class "[05] - HDMI/LVDS": +1V1_VDDSOC_CAP +2V5 +3V3 +HDMI_VP +HDMI_VPH +LVDS_2V5 GND HDMI_CEC HDMI_CEC_IN HDMI_CLK_N HDMI_CLK_P HDMI_D0_N HDMI_D0_P HDMI_D1_N HDMI_D1_P HDMI_D2_N HDMI_D2_P HDMI_DDC HDMI_HPD HDMI_HPD_R HDMI_RESREF LCD_HDMI_CLK_N LCD_HDMI_CLK_P LCD_HDMI_D0_N LCD_HDMI_D0_P LCD_HDMI_D1_N LCD_HDMI_D1_P LCD_HDMI_D2_N LCD_HDMI_D2_P LVDS0_CLK_N LVDS0_CLK_P LVDS0_TX0_N LVDS0_TX0_P LVDS0_TX1_N LVDS0_TX1_P LVDS0_TX2_N LVDS0_TX2_P LVDS0_TX3_N LVDS0_TX3_P MX6_HDMI_CLK_N MX6_HDMI_CLK_P MX6_HDMI_D0_N MX6_HDMI_D0_P MX6_HDMI_D1_N MX6_HDMI_D1_P MX6_HDMI_D2_N MX6_HDMI_D2_P NetR30_2 NetR31_2 NetR33_2 NetR36_2 NetR587_1 NetU1_AA1 NetU1_AA2 NetU1_AA3 NetU1_AA4 NetU1_AB1 NetU1_AB2 NetU1_Y1 NetU1_Y2 NetU1_Y3 NetU1_Y4 OEn SEL
net class "[04] - CPU - PCIE /USB": +1V1_VDDSOC_CAP +2V5 +3V3 +5V +PCIE_VP +PCIE_VPH +PCIE_VPTX +VDDUSB GND PCIE_C_TX_N PCIE_C_TX_P PCIE_CLK_C_N PCIE_CLK_C_P PCIE_CLK_N PCIE_CLK_P PCIe_REXT PCIE_RSTn_R PCIE_RSTn_R_CPU PCIE_RSTn_R_CPU_ALT PCIE_RX_N PCIE_RX_P PCIE_TX_N PCIE_TX_P PCIE_WAKE PCIE_WDISn UART5_CTS UART5_RTS USB0_CHD USB0_ID USB0_ID_BUFF_EN USB0_N USB0_P USB1_N USB1_P USB_H1_OC USB_OC
net class "[03] - CPU - DDR3": +1V5_DDR +DDR_VREF DRAM0_ZQ DRAM1_ZQ DRAM2_ZQ DRAM3_ZQ DRAM_A0 DRAM_A1 DRAM_A2 DRAM_A3 DRAM_A4 DRAM_A5 DRAM_A6 DRAM_A7 DRAM_A8 DRAM_A9 DRAM_A10 DRAM_A11 DRAM_A12 DRAM_A13 DRAM_A14 DRAM_A15 DRAM_CAS_B DRAM_CLK0_N DRAM_CLK0_P DRAM_CLK1_N DRAM_CLK1_P DRAM_CS0_B DRAM_D0 DRAM_D1 DRAM_D2 DRAM_D3 DRAM_D4 DRAM_D5 DRAM_D6 DRAM_D7 DRAM_D8 DRAM_D9 DRAM_D10 DRAM_D11 DRAM_D12 DRAM_D13 DRAM_D14 DRAM_D15 DRAM_D16 DRAM_D17 DRAM_D18 DRAM_D19 DRAM_D20 DRAM_D21 DRAM_D22 DRAM_D23 DRAM_D24 DRAM_D25 DRAM_D26 DRAM_D27 DRAM_D28 DRAM_D29 DRAM_D30 DRAM_D31 DRAM_D32 DRAM_D33 DRAM_D34 DRAM_D35 DRAM_D36 DRAM_D37 DRAM_D38 DRAM_D39 DRAM_D40 DRAM_D41 DRAM_D42 DRAM_D43 DRAM_D44 DRAM_D45 DRAM_D46 DRAM_D47 DRAM_D48 DRAM_D49 DRAM_D50 DRAM_D51 DRAM_D52 DRAM_D53 DRAM_D54 DRAM_D55 DRAM_D56 DRAM_D57 DRAM_D58 DRAM_D59 DRAM_D60 DRAM_D61 DRAM_D62 DRAM_D63 DRAM_DQM0 DRAM_DQM1 DRAM_DQM2 DRAM_DQM3 DRAM_DQM4 DRAM_DQM5 DRAM_DQM6 DRAM_DQM7 DRAM_DQS0_N DRAM_DQS0_P DRAM_DQS1_N DRAM_DQS1_P DRAM_DQS2_N DRAM_DQS2_P DRAM_DQS3_N DRAM_DQS3_P DRAM_DQS4_N DRAM_DQS4_P DRAM_DQS5_N DRAM_DQS5_P DRAM_DQS6_N DRAM_DQS6_P DRAM_DQS7_N DRAM_DQS7_P DRAM_RAS_B DRAM_RESET_B DRAM_SDBA0 DRAM_SDBA1 DRAM_SDBA2 DRAM_SDCKE0 DRAM_SDODT0 DRAM_WE_B GND NetU1_AA11 NetU1_AB17 NetU1_AD17 NetU2_J1 NetU2_J9 NetU2_L1 NetU2_L9 NetU3_J1 NetU3_J9 NetU3_L1 NetU3_L9 NetU4_J1 NetU4_J9 NetU4_L1 NetU4_L9 NetU5_J1 NetU5_J9 NetU5_L1 NetU5_L9 ZQPAD
net class "[11] - CPU - JTAG/CONTROL": +1V5_DDR +3V0_ALWAYS +3V3 BOARD_ID_1 BOARD_VARIANT_0 BOARD_VARIANT_1 BOARD_VARIANT_2 BOOT_MODE0 BOOT_MODE1 CPU_XTALI CPU_XTALO GND JTAG_MOD JTAG_nTRST JTAG_TCK JTAG_TCK_R JTAG_TDI JTAG_TDI_R JTAG_TDO JTAG_TDO_R JTAG_TMS MCU_RSTOUTn MCU_RSTOUTn_R NetU1_C5 NetU1_D5 NetU1_V24 NetU1_W24 ON_OFF PCIE_RSTn PCIE_RSTn_R PMIC_INT PMIC_ON_REQ PMIC_STBY_REQ PMIC_STBY_REQ_CPU POK_1V375_OPT POK_3V3_OPT POK_PMIC POK_SYS POR_Bn POR_CT POR_R_Bn PWRON RGMII_RSTn RGMII_RSTn_R RSTINn RSTINn_BUFF RSTOUTn RSTOUTn_BUFF RSTOUTn_R RTC_XTALI RTC_XTALO SENSE_1V5 TAMPER TEST_MODE WD_OUT
component class "[31] - PWR BATTERY CHARGER": BAT1 C477 C478 C479 C480 C481 C482 C483 C484 C485 C486 C487 C488 C489 C490 C491 C492 C493 C494 C495 C496 C497 C498 D46 D47 D48 D49 D50 D51 D52 D53 J20 JP3 L17 L18 R465 R466 R467 R468 R469 R470 R471 R472 R473 R474 R475 R476 R477 R478 R479 R480 R481 R482 R483 R484 R485 R486 R487 R488 R489 R490 R491 R492 R493 R494 R495 R496 TP44 TP45 TP46 TP47 TP48 TP49 TP50 TP51 U45 U46
component class "[30] - PWR PMIC": C416 C417 C418 C419 C420 C421 C422 C423 C424 C425 C426 C427 C428 C429 C430 C431 C432 C433 C434 C435 C436 C437 C438 C439 C440 C441 C442 C443 C444 C445 C446 C447 C448 C449 C450 C451 C452 C453 C454 C455 C456 C457 C458 C459 C460 C461 C462 C463 C464 C465 C466 C467 C468 C469 C470 C471 C472 C473 C474 D45 FIRMWARE_FOR_U1 L11 L12 L13 L14 L15 L16 R430 R431 R432 R433 R434 R435 R436 R437 R438 R439 R440 R441 R442 TP27 TP28 TP29 TP30 TP31 TP32 TP33 TP34 TP35 TP36 TP37 TP38 TP39 TP40 TP41 U44
component class "[29] - PWR IN, MECH, DOC": C350 C351 C352 C353 C354 C355 C356 C357 C358 C359 C360 C519 C520 C521 D24 D25 D26 FB42 FID1 FID2 FID3 FID4 FID5 FID6 FID7 FID8 J13 J17 J18 J22 JP2 L8 L9 LINK2 MH1 MH2 MH3 MH4 MH5 MH6 PCB1 Q9 Q10 Q11 Q12 R317 R318 R319 R320 R321 R322 R323 R324 R325 R326 R506 SW2 TP22 TP23 TP24 TP25 TP26 U38 U39 U40 U51 U52 U53
component class "[28] - PWR 1V375 OPT, 3V3 OPT": C337 C338 C339 C340 C341 C342 C343 C344 C345 C346 C347 C348 C349 L6 L7 R294 R295 R296 R297 R298 R299 R300 R301 R302 R303 R304 R305 R306 R307 R308 R309 R310 R311 R312 R313 R314 R315 R316 TP21 U36 U37
component class "[27] - LEDS, BUTTONS": C395 C396 C397 C398 C399 C400 C401 C402 C403 C404 C405 C406 C407 C408 C409 C410 C411 C412 C413 C414 C415 D33 D34 D35 D36 D37 D38 D39 D40 D41 D42 D43 D44 Q16 Q17 R376 R377 R378 R379 R380 R381 R382 R383 R384 R385 R386 R387 R388 R389 R390 R391 R392 R393 R394 R395 R396 R397 R398 R399 R400 R401 R402 R403 R404 R405 R406 R407 R408 R409 R410 R411 R412 R413 R414 R415 R416 R417 R418 R419 R420 R421 R422 R423 R424 R425 R426 R427 R428 R429 SW4 SW5 SW6 SW7 SW8 SW9 SW10 SW11 SW12 SW13 SW14 SW15 SW16 SW17 SW18 SW19 SW20 SW21 SW22 SW23
component class "[25] - LCD,TSC": C361 C362 C363 C364 C365 C366 C367 C368 C369 C370 C371 C372 C373 C374 C375 C376 C377 C378 C379 C380 C381 C382 C383 C384 C385 C386 C387 C388 C389 C390 C391 C392 C393 C394 CTP1 D27 D28 D29 D30 D31 D32 FB43 FB44 FB45 FB46 FB47 L10 LCD1 LCD2 Q13 Q14 Q15 R327 R328 R329 R330 R331 R332 R333 R334 R335 R336 R337 R338 R339 R340 R341 R342 R343 R344 R345 R346 R347 R348 R349 R350 R351 R352 R353 R354 R355 R356 R357 R358 R359 R360 R361 R362 R363 R364 R365 R366 R367 R368 R369 R370 R371 R372 R373 R374 R375 R589 SW3 TP56 U41 U42 U43 Y6
component class "[24] - HEADERS, UART": C289 C290 C297 C298 C299 C300 D15 D16 D17 D18 D19 D20 D21 FB24 FB27 FB28 FB31 J12 J14 J16 L5 Q4 Q5 R222 R223 R224 R225 R231 R232 R233 R234 R235 R236 R237 R238 R239 R240 R576 R577 R578 R579 R588 R629 R630 R631 R632 R633 R634 R635 R636 R637 R638 R639 R640 R641 R642 R643 R644 R645 R646 R647 R648 R649 R650 R651 R652 R653 R654 R655 R656 R657 R658 R659 R660 R661 R662 R663 R664 R665 R666 R667 R668 R669 R670 R671 R672 R673 RN1 RN2 RN3 RN4
component class "[23] - SENSORS, CAN, IR": C301 C302 C303 C304 C305 C306 C307 C308 C309 C310 C311 C312 C313 C314 C315 C316 C317 C318 C319 C320 C321 C322 C323 C324 FB32 FB33 FB34 FB35 Q6 R241 R242 R243 R244 R245 R246 R247 R248 R249 R250 R251 R252 R253 R254 R255 R256 R257 R258 R259 R260 R261 R262 R263 R264 R265 R266 R267 R268 U24 U25 U26 U27 U28 U29 U30 U31 U32
component class "[22] - SD CARD, SPI, FLASH, EEPROM,": C284 C285 C286 C287 C288 CR3 D14 FIRMWARE_FOR_CARD_IN_J1 J11 Q2 Q3 R207 R208 R209 R210 R211 R212 R213 R214 R215 R216 R217 R218 R219 R221 R229 R230 R559 R560 R561 R580 R615 R616 R617 R618 R619 R622 TP14 TP15 TP16 TP17 TP18 U21 U22 U23
component class "[21] - AUDIO": C268 C269 C270 C271 C272 C273 C274 C275 C276 C277 C278 C279 C280 C281 C282 C283 FB16 FB17 FB18 FB19 FB20 FB21 FB22 FB23 J10 R201 R202 R203 R204 R205 R206 TP12 TP13 U20
component class "[20] - ETHERNET, SATA": C262 C263 C264 C265 C266 C267 J8 J9 R199 R200
component class "[19] - USB": C240 C241 C242 C243 C244 C245 C246 C247 C248 C249 C250 C251 C252 C253 C254 C255 C256 C257 C258 C259 C260 C261 D9 D10 D11 D12 D13 FB12 FB13 FB14 FB15 J5 J6 J7 L2 L3 L4 R157 R158 R159 R160 R161 R162 R163 R164 R165 R166 R167 R168 R169 R170 R171 R172 R173 R174 R175 R176 R177 R178 R179 R180 R181 R182 R183 R184 R185 R186 R187 R188 R189 R190 R191 R192 R193 R194 R195 R196 R197 R198 TP11 U18 U19 Y4
component class "[18] - PCIE MINI": C224 C225 C226 C227 C228 C229 C230 C231 C232 C233 C234 C235 C236 C237 C238 C239 CR1 CR2 D5 D6 D7 D8 FB8 FB9 FB10 FB11 J2 J3 J4 L1 R151 R152 R153 R154 R155 R156
component class "[17] - LVDS, CSI": C475 C476 FB48 J19 R443 R444 R445 R446 R447 R448 R449 R450 R451 R452 R453 R454 R455 R456 R457 R458 R459 R460 R461 R462 R463 R464 TP42 TP43
component class "[16] - HDMI": C218 C219 C220 C221 C222 C223 D4 J1 R141 R142 R143 R144 R145 R146 R147 R148 R149 R150 U16 U17
component class "[15] - ETHERNET PHY": C188 C189 C190 C191 C192 C193 C194 C195 C196 C197 C198 C199 C200 C201 C202 C203 C204 C205 C206 C207 C208 C209 C210 C211 C212 C213 C214 C215 C216 C217 FB2 FB3 FB4 FB5 FB6 FB7 R117 R118 R119 R120 R121 R122 R123 R124 R125 R126 R127 R128 R129 R130 R131 R132 R133 R134 R135 R136 R137 R138 R139 R140 TP9 TP10 U14 U15 Y3
component class "[14] - MCU": C325 C326 C327 C328 C329 C330 C331 C332 C333 C334 C335 C336 D22 D23 FB36 FB37 FB38 FB39 FB40 FB41 Q7 Q8 R226 R227 R228 R269 R270 R271 R272 R273 R274 R275 R276 R277 R278 R279 R280 R281 R282 R283 R284 R285 R286 R287 R288 R289 R290 R291 R292 R293 R582 R583 TP19 TP20 TP52 TP53 TP54 TP55 U33 U34 U35 Y5
component class "[12] - CPU - POWER": C103 C104 C105 C106 C107 C108 C109 C110 C111 C112 C113 C114 C115 C116 C117 C118 C119 C120 C121 C122 C123 C124 C125 C126 C127 C128 C129 C130 C131 C132 C133 C134 C135 C136 C137 C138 C139 C140 C141 C142 C143 C144 C145 C146 C147 C148 C149 C150 C151 C152 C153 C154 C155 C156 C157 C158 C159 C160 C161 C162 C163 C164 C165 C166 C167 C168 C169 C170 C171 C172 C173 C174 C175 C176 C177 C178 C179 C180 C181 C182 C183 C184 C185 C186 C187 R113 R114 R115 R116
component class "[11] - CPU - JTAG, CONTROL": C94 C95 C96 C97 C98 C99 C100 C101 C102 D1 D2 D3 LINK1 R66 R67 R68 R69 R70 R71 R72 R73 R74 R75 R76 R77 R78 R79 R80 R81 R82 R84 R85 R86 R87 R88 R89 R90 R91 R92 R93 R94 R95 R96 R97 R98 R99 R100 R101 R102 R103 R104 R105 R106 R107 R108 R109 R110 R111 R112 TP3 TP4 TP5 TP6 TP7 TP8 U1 U10 U11 U12 U13 Y1 Y2
component class "[10] - CPU - GPIO, PWM, LEDS, BUTTONS": R46 R47 R48 R49 R50 R51 TP2
component class "[08] - CPU - SPI, UART": R42 R44 R45
component class "[07] - CPU - CSI, FLASH": C499 C500 C501 C502 C503 C504 C505 C506 C507 C508 C509 C510 C511 C512 C513 C514 C515 C516 C517 C518 FB49 R497 R498 R499 R500 R501 R502 R503 R504 R505 U47 U48 U49 U50
component class "[09] - CPU - SD, AUDIO, I2C, CAN": R52 R53 R54 R55 R56 R57 R58 R59 R60 R61 R62 R63 R64 R65 R591 R592 R593 R594 R595 R596 R597 R598 R599 R600 R601 R602 R603 R604 R605 R606 R607 R608 R609 R610 R611 R612 R613 R614 R620 R621
component class "[05] - CPU - HDMI, LVDS": C72 C73 C74 C75 C76 C77 C78 C79 C80 C81 C82 C83 C84 C85 C86 R20 R21 R22 R23 R24 R25 R26 R27 R28 R29 R30 R31 R32 R33 R34 R35 R36 R587 SW1 U6 U7 U8 U9
component class "[04] - CPU - PCIE, USB": C59 C60 C61 C62 C63 C64 C65 C66 C67 C68 C69 C70 C71 FB1 R12 R13 R14 R15 R16 R17 R18 R19 R581 R590 R625 R626 R674 TP1
component class "[03] - CPU - DDR3, DDR3 MEM": C1 C2 C3 C4 C5 C6 C7 C8 C9 C10 C11 C12 C13 C14 C15 C16 C17 C18 C19 C20 C21 C22 C23 C24 C25 C26 C27 C28 C29 C30 C31 C32 C33 C34 C35 C36 C37 C38 C39 C40 C41 C42 C43 C44 C45 C46 C47 C48 C49 C50 C51 C52 C53 C54 C55 C56 C57 C58 R1 R2 R3 R4 R5 R6 R7 R8 R9 R10 R11 U2 U3 U4 U5
net class MCU_LCD_SE: ACTIVE QB0 QB1 QB2 QB3 QB4 QB5 QB6 QB7 QDE QE0 QE1 QE2 QE3 QE4 QE5 QE6 QE7 QHSYNC QODCK QR0 QR1 QR2 QR3 QR4 QR5 QR6 QR7 QVSYNC